# Altium PCB klpfly1.9.5.PcbDoc (part 2 of 2)
Units mil, origin at the board's own origin, x right, y up, seen from the top; angles counter-clockwise.
Board outline 1496.06 x 1496.06 mil, 4 copper layers (Top Layer, POWER2, GND3, Bottom Layer), stack 23.756 mil thick; 120 components, 91 nets, 502 pads, 278 vias.
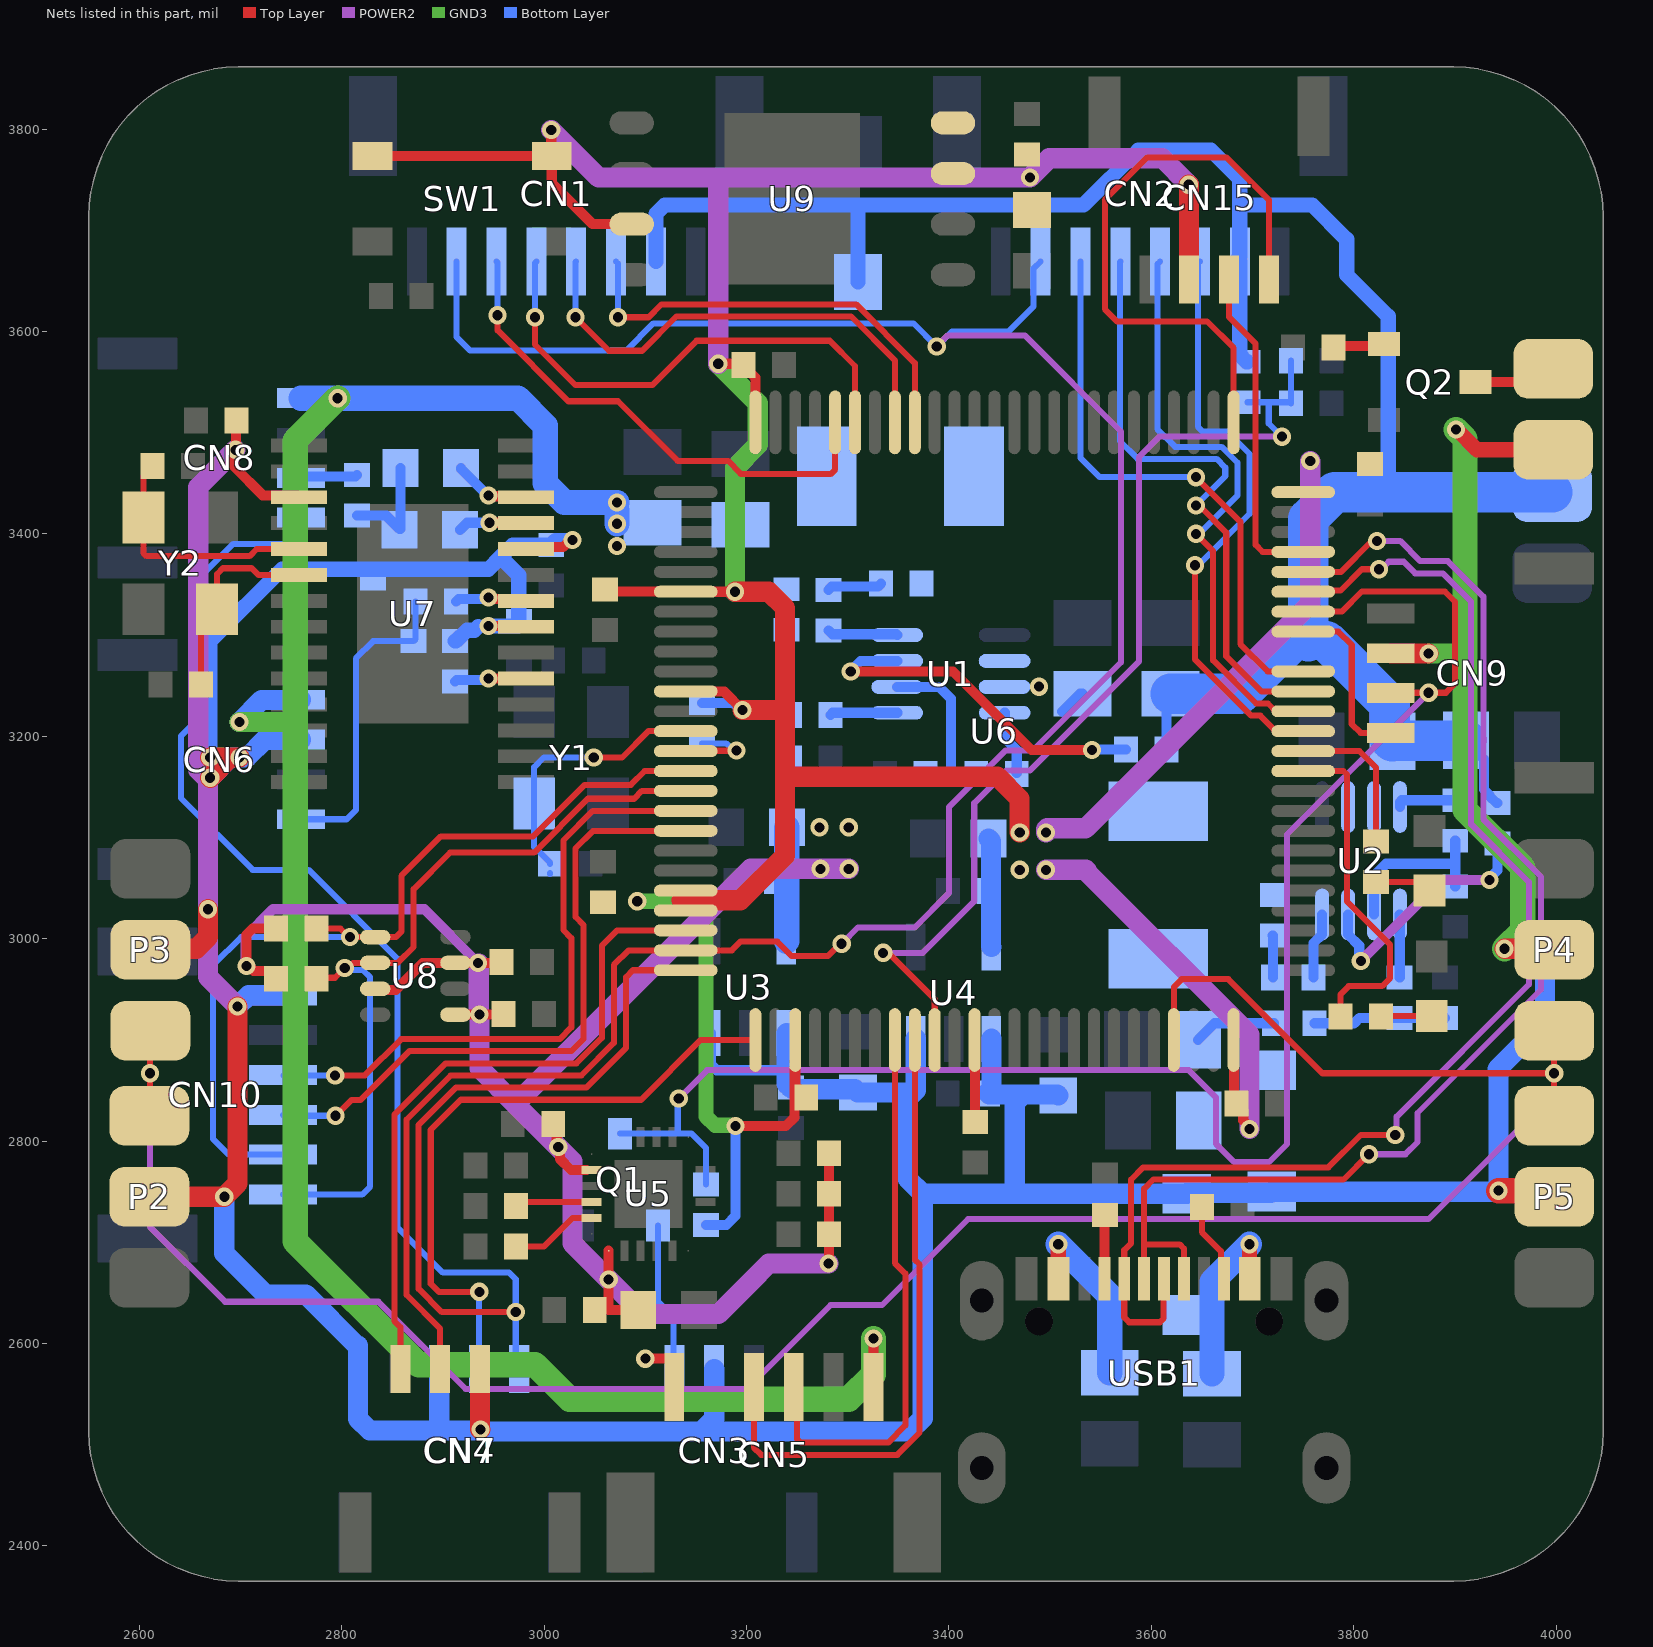
[diagram p4: the nets of this part, all layers, seen from the top]

## Via types
v1: diameter 18, hole 10, Top Layer to Bottom Layer, 278 vias

## Nets (pads, with @x,y where several pads share a name; then routed paths per layer and width w, separated by ;. In a path a pad name is that pad's centre, name@x,y a point inside that pad or via, vN(x,y) a via of type N, cw(c..) or ccw(c..) an arc to the next point about the centre after c; other vN are vias at no path point) (continued)
HEXT_OUT: C24.2 U6.13 Y1.1 | length 267.5
  Top Layer w6: v1(3049,3179) 3077,3179 3103,3205 U6.13@3139.89,3205
  Bottom Layer w6: C24.2@3006,3064 C24.2@3006,3064.98 ; C24.2@3006,3074 3006,3074.98 2990.17,3090.82 Y1.1@2990.17,3133.45 2990.17,3169.49 2999.68,3179 v1(3049,3179)
I2C_SCL: CN10.2 R29.1 U6.15 U8.4 | length 862.6
  Top Layer w6: R29.1@2775,3010 2798.69,3010 2807.09,3001.59 v1(2808.2,3001.59) U8.4@2833,3001.59 2853.59,3001.59 2859,3007 2859,3062 2898,3101 2989.06,3101 3040.06,3152 3085.76,3152 3099.39,3165.63 U6.15@3139.89,3165.63
  Bottom Layer w6: CN10.2@2742,2786.52 2688.48,2786.52 2673,2802 2673,2974 2700.59,3001.59 v1(2808.2,3001.59)
I2C_SDA: CN10.1 R31.1 U6.16 U8.3 | length 800.3
  Top Layer w6: R31.1@2775,2960.41 2775.98,2961.39 2793.39,2961.39 v1(2803,2971) 2806.25,2971 2811.25,2976 U8.3@2833,2976 2855.26,2976 2871,2991.74 2871,3049 2907.01,3085.01 2990.04,3085.01 3043.29,3138.26 3088.99,3138.26 3096.67,3145.94 U6.16@3139.89,3145.94
  Bottom Layer w6: CN10.1@2742,2747.15 2820.15,2747.15 2828,2755 2828,2962 2821,2969 2805,2969 v1(2803,2971)
LED: P2.1 P3.1 P4.1 P5.1 U6.47 | length 2384.7
  Top Layer w6: P2.1@2610,2825 2610.5,2825.5 v1(2610.5,2867) 2610.5,2908.5 P3.1@2611,2909 ; U6.47@3622.17,2899.89 3622.17,2952.17 3630,2960 3676,2960 3769,2867 v1(3998,2867) ; P5.1@3998,2825 v1(3998,2867) ; P4.1@3998,2909 v1(3998,2867)
  POWER2 w6: v1(2610.5,2867) 2610.5,2715.5 2684.75,2641.25 2836.25,2641.25 2922.5,2555 3200,2555 3283,2638 3334,2638 3419,2723 3874,2723 3998,2847 v1(3998,2867)
LED1: R32.2 U6.61 | length 341.1
  Top Layer w6: U6.61@3750.11,3165.63 3789.86,3165.63 3793.37,3162.12 3793.37,3036.63 3836,2994 3836,2961 3828,2953 3795,2953 3787,2945 R32.2@3787,2923
LED2: R33.2 U6.62 | length 151.6
  Top Layer w6: U6.62@3750.11,3185.31 3805.69,3185.31 3822,3169 R33.2@3822,3096
MOTOR1: CN1.6 U6.92 | length 437.1
  Top Layer w6: v1(3073,3614) 3103.2,3614 3116,3626.8 3308.2,3626.8 3366.26,3568.74 U6.92@3366.26,3510.11
  Bottom Layer w6: CN1.6@3071.05,3669.07 3073,3667.11 v1(3073,3614)
MOTOR2: CN1.5 U6.93 | length 478
  Top Layer w6: v1(3031,3614) 3064.1,3580.9 3096.9,3580.9 3130.8,3614.8 3303.23,3614.8 3346.57,3571.46 U6.93@3346.57,3510.11
  Bottom Layer w6: v1(3031,3614) 3031,3668.39 CN1.5@3031.68,3669.07
MOTOR3: CN1.4 U6.95 | length 499.6
  Top Layer w6: v1(2991,3614) 2991,3587 3031,3547 3106.91,3547 3150.7,3590.8 3282.2,3590.8 3307.2,3565.8 U6.95@3307.2,3510.11
  Bottom Layer w6: v1(2991,3614) 2991,3667.76 CN1.4@2992.3,3669.07
MOTOR4: CN1.3 U6.96 | length 509.9
  Top Layer w6: v1(2954,3616) 2954,3601 3024,3531 3073,3531 3132,3472 3182,3472 3193.99,3460.01 3193.99,3459 3283,3459 3287.52,3463.52 U6.96@3287.52,3510.11
  Bottom Layer w6: CN1.3@2952.93,3669.07 2954,3668 v1(2954,3616)
NetBEEP_2: BEEP.2 Q2.3 | length 82.1
  Top Layer w10: Q2.3@3920.27,3550 3984,3550 BEEP.2@3997,3563
NetC1_1: C1.1 L1.2 U1.6
NetC1_2: C1.2 R2.2 | length 54.7
  Bottom Layer w10: R2.2@3281,3344.6 3284.2,3347.8 3329.8,3347.8 C1.2@3333,3351
NetC2_1: C2.1 L2.2 U2.6
NetC2_2: C2.2 R3.2 | length 41.4
  Bottom Layer w10: C2.2@3720,3003 3720.15,3002.85 3720.15,2961.87 R3.2@3720.29,2961.73
NetC9_2: C9.2 C10.2 D1.1 L2.1 R11.2 | length 82
  Bottom Layer w10: C9.2@3646,2900 3662.41,2916.41 R11.2@3721.2,2916.41
NetC17_2: C17.2 R6.1 U1.2 | length 182.4
  Bottom Layer w10: U1.2@3348.9,3248.8 3390.2,3248.8 3402,3237 3402,3162.6 ; C17.2@3377,3162.6 3402,3162.6 ; R6.1@3427,3162.6 3402,3162.6
NetC20_2: C20.2 R9.1 U2.2 | length 167.1
  Bottom Layer w10: U2.2@3820,3023.9 3820,3062 3832,3074 3899,3074 ; C20.2@3900.29,3051.73 R9.1@3900.29,3096.73
NetC23_1: C23.1 U5.10 | length 76.3
  Top Layer w6: C23.1@2972.33,2735.93 2976.33,2739.93 U5.10@3046.93,2739.93
NetC29_1: C29.1 C31.1 R24.2 | length 108.4
  Bottom Layer w10: R24.2@2815,3418 2843.98,3418 2856.98,3405 2858,3405 C29.1@2858,3465
NetC29_2: C29.2 U7.26 | length 76.7
  Top Layer w10: v1(2945,3438) 2945.92,3437.08 2959.64,3437.08 2960.56,3436.16 U7.26@2982.2,3436.16
  Bottom Layer w10: C29.2@2918,3465 2918,3464.02 2944.02,3438 v1(2945,3438)
NetC31_2: C31.2 U7.25 | length 68.3
  Top Layer w10: v1(2946,3411) 2981.77,3411 U7.25@2982.2,3410.57
  Bottom Layer w10: C31.2@2917,3404 2924,3411 v1(2946,3411)
NetC38_2: C38.2 U7.22 | length 72.2
  Top Layer w10: v1(2945,3337) 2946.53,3335.47 2980.52,3335.47 U7.22@2982.2,3333.79
  Bottom Layer w10: C38.2@2913,3333 2915.47,3335.47 2943.47,3335.47 v1(2945,3337)
NetLED1_1: LED1.1 R32.1 | length 50.2
  Top Layer w6: R32.1@3827,2923 3827.47,2923.47 LED1.1@3877,2923.47
NetLED2_1: LED2.1 R33.1 | length 56.5
  Top Layer w6: R33.1@3822,3056 3866.47,3056 LED2.1@3875,3047.47
NetQ2_1: Q2.1 R42.2 | length 51.1
  Top Layer w10: R42.2@3780,3584 3781.7,3585.7 3828.02,3585.7 Q2.1@3829.72,3587.41
NetR1_2: R1.2 USB1.4 | length 63.2
  Top Layer w10: USB1.4@3553.51,2664.01 3553.76,2664.25 3553.76,2726.76 R1.2@3554,2727
NetR2_1: R2.1 U1.4 | length 69.8
  Bottom Layer w10: R2.1@3281,3304.6 3284.88,3300.72 3348.18,3300.72 U1.4@3348.9,3300
NetR3_1: R3.1 U2.4 | length 65.7
  Bottom Layer w10: R3.1@3760.29,2961.73 3760.29,2995.67 3768.8,3004.18 U2.4@3768.8,3023.9
NetR4_2: R4.2 U1.3 | length 355
  Top Layer w10: v1(3303,3264) 3404,3264 3481.5,3186.5 v1(3541.25,3186.5)
  Bottom Layer w10: v1(3303,3264) 3303,3264.85 3312.55,3274.4 U1.3@3348.9,3274.4 ; v1(3541.25,3186.5) 3541.51,3186.75 3574.75,3186.75 R4.2@3575,3187
NetR5_2: R5.2 U2.3 | length 250.6
  POWER2 w10: v1(3807,2978) 3887,3058 v1(3934,3058)
  Bottom Layer w10: U2.3@3794.4,3023.9 3794.4,3004.18 3805.47,2993.11 3805.47,2979.53 v1(3807,2978) ; v1(3934,3058) 3934,3059.55 3942,3067.55 R5.2@3942,3094
NetR6_2: R6.2 U1.8 | length 64.5
  Bottom Layer w10: U1.8@3455.1,3223.2 3455.1,3198.18 3467,3186.28 R6.2@3467,3163.58
NetR7_1: R7.1 U1.1 | length 66.8
  Bottom Layer w10: R7.1@3283,3221 3285.2,3223.2 U1.1@3348.9,3223.2
NetR7_2: R7.2 R8.1 R12.2 | length 128.6
  Bottom Layer w10: R8.1@3239.62,3305.23 3241.31,3303.54 3241.31,3179.69 R12.2@3243,3178
NetR9_2: R9.2 U2.8 | length 60.3
  Bottom Layer w10: U2.8@3845.6,3130.1 3845.6,3134.98 3847.35,3136.73 R9.2@3900.29,3136.73
NetR10_1: R10.1 U2.1 | length 62.3
  Bottom Layer w10: R10.1@3845.29,2961.73 3845.45,2961.88 3845.45,3023.75 U2.1@3845.6,3023.9
NetR10_2: R10.2 R11.1 R13.2 | length 131.3
  Bottom Layer w10: R11.1@3761.2,2916.41 3800.41,2916.41 3805.73,2921.73 R10.2@3845.29,2921.73 R13.2@3890.29,2921.73
NetR14_2: R14.2 USB1.10 | length 79.9
  Top Layer w6: R14.2@3650,2735 3650,2710 3668.72,2691.28 3668.72,2666.91 USB1.10@3671.62,2664.01
NetR22_1: R22.1 U5.11 | length 86.3
  Top Layer w6: R22.1@2972.33,2695.93 2999.93,2695.93 3028.18,2724.18 U5.11@3046.93,2724.18
NetR23_1: R23.1 U6.14 | length 87.3
  Top Layer w6: U6.14@3139.89,3185.31 3140.23,3185.66 3189.66,3185.66 v1(3190,3186)
  Bottom Layer w6: R23.1@3156,3193 3179.75,3193 3186.75,3186 v1(3190,3186)
NetR26_1: R26.1 U6.37 | length 81.2
  Top Layer w10: U6.37@3425.32,2899.89 3425.66,2899.55 3425.66,2819.34 R26.1@3426,2819
NetR27_2: R27.2 U7.19 | length 71.4
  Top Layer w10: v1(2945,3257) U7.19@2982.2,3257.02
  Bottom Layer w10: R27.2@2912,3254 2913.5,3255.5 2943.5,3255.5 v1(2945,3257)
OSD_HEXT_IN: C28.2 U7.5 Y2.3 | length 247.6
  Top Layer w6: C28.2@2613,3467 2613,3466.02 2604,3457.02 Y2.3@2604,3416 2604,3381 2607,3378 2709,3378 2715.98,3384.98 U7.5@2757.79,3384.98
OSD_HEXT_OUT: C30.2 U7.6 Y2.1 | length 201.9
  Top Layer w6: C30.2@2661,3251 2661,3309.61 Y2.1@2676.83,3325.45 2676.83,3360.32 2682.51,3366 2711,3366 2717.61,3359.39 U7.6@2757.79,3359.39
OSD_IN_CAM: C38.1 CN6.1 R25.2 | length 311.9
  Bottom Layer w6: CN6.1@2759.71,3117.94 2804.94,3117.94 2814,3127 2814,3277 2831,3294 R25.2@2871,3294 2873,3296 C38.1@2873,3333
OSD_OUT_VTX: CN8.2 R24.1 | length 56.4
  Bottom Layer w10: CN8.2@2759.71,3455.31 2761.05,3456.66 2813.65,3456.66 R24.1@2815,3458
SBUS: CN3.3 CN5.1 Q1.1 | length 233.2
  Top Layer w10: v1(3100,2585) 3123.74,2585 3128.61,2580.13 CN5.1@3128.58,2556.93
  Bottom Layer w6: v1(3100,2585) 3121.79,2585 CN3.3@3128,2578.79 ; Q1.1@3112.41,2716.72 3112.41,2641.59 3128,2626 CN3.3@3128,2578.79 ; CN3.3@3128.63,2574.71 3128.63,2578.16 CN3.3@3128,2578.79
SERVO1: CN2.6 U6.63 | length 589.9
  Top Layer w6: v1(3643,3369) 3643,3276.06 3698.69,3220.37 3707.75,3220.37 3723.12,3205 U6.63@3750.11,3205
  Bottom Layer w6: v1(3643,3369) 3646.25,3369 3697,3419.75 3697,3479 3675,3501 3651,3501 3646,3506 3646,3667.02 CN2.6@3648.05,3669.07
SERVO2: CN2.5 U6.64 | length 590.7
  Top Layer w6: v1(3644,3400) 3661,3383 3661,3275.03 3703.66,3232.37 3715.26,3232.37 3722.95,3224.68 U6.64@3750.11,3224.68
  Bottom Layer w6: CN2.5@3608.68,3669.07 3606,3666.39 3606,3503.51 3623.51,3486 3669.46,3486 3685,3470.46 3685,3437.75 3647.25,3400 v1(3644,3400)
SERVO3: CN2.4 U6.65 | length 595.7
  Top Layer w6: v1(3644,3428) 3647.25,3428 3674,3401.25 3674,3279 3708.63,3244.37 U6.65@3750.11,3244.37
  Bottom Layer w6: CN2.4@3569.3,3669.07 3569,3668.76 3569,3491.51 3586.51,3474 3664.49,3474 3673,3465.49 3673,3457 v1(3644,3428)
SERVO4: CN2.3 U6.66 | length 572.5
  Top Layer w6: v1(3644,3456) 3688,3412 3688,3291 3714.94,3264.06 U6.66@3750.11,3264.06
  Bottom Layer w6: CN2.3@3529.93,3669.07 3529.93,3475.07 3549,3456 v1(3644,3456)
SWDCLK: CN15.1 U6.76 | length 600.2
  Top Layer w6: U6.76@3681.22,3510.11 3681.22,3583.78 3655,3610 3566,3610 3554,3622 3554,3730 3596,3772 3674,3772 3716.06,3729.94 CN15.1@3716.06,3651.29
SWDIO: CN15.2 U6.72 | length 323.1
  Top Layer w6: CN15.2@3676.69,3651.29 3676.69,3614.31 3703,3588 3703,3389 3709.83,3382.17 U6.72@3750.11,3382.17
UART1_RX: CN9.2 Q1.3 R30.2 U6.69 | length 1661.1
  Top Layer w6: U6.69@3750.11,3323.11 3788.11,3323.11 3808,3343 3890,3343 3900,3333 3900,3252 3891,3243 v1(3874,3243) 3836.92,3243 CN9.2@3836.58,3242.66
  POWER2 w6: v1(3133,2842) 3161,2870 3637,2870 3664,2843 3664,2797 3681.75,2779.25 3716.25,2779.25 3734,2797 3734,3103 v1(3874,3243)
  Bottom Layer w6: Q1.3@3075,2807.27 3132,2807.27 ; v1(3133,2842) 3132,2841 3132,2807.27 ; R30.2@3160,2757 3160,2793 3145.73,2807.27 3132,2807.27
UART2_RX: CN4.2 U6.26 | length 637.4
  Top Layer w6: v1(2936,2651) 2896,2651 2888,2659 2888,2811.09 2917.71,2840.8 3095.8,2840.8 3154.89,2899.89 U6.26@3208.78,2899.89
  Bottom Layer w6: CN4.2@2935.69,2574.71 2935.69,2650.69 v1(2936,2651)
UART2_TX: CN4.1 CN8.1 U6.25 | length 1770.1
  Top Layer w6: v1(2972,2631) 2899.03,2631 2876,2654.03 2876,2816.06 2912.74,2852.8 3041.71,2852.8 3081,2892.09 3081,2962 3087.78,2968.78 U6.25@3139.89,2968.78
  Bottom Layer w6: CN8.1@2759.71,3415.94 2759.71,3397.1 2752.61,3390 2693,3390 2651.5,3348.5 2651.5,3210.5 2641,3200 2641,3139 2712,3068 2767.25,3068 2855,2980.25 2855,2715 2900,2670 2965.49,2670 2972,2663.49 v1(2972,2631) 2972,2577.77 CN4.1@2975.06,2574.71
UART3_RX: CN5.3 U6.34 | length 625.5
  Top Layer w6: CN5.3@3207.32,2556.93 3207.32,2497.02 3214.34,2490 3349,2490 3371,2512 3371,2678 3366.26,2682.74 U6.34@3366.26,2899.89
UART3_TX: CN5.4 U6.33 | length 553.5
  Top Layer w6: CN5.4@3246.69,2556.93 3250,2553.61 3250,2505.51 3253.51,2502 3340,2502 3357,2519 3357,2669 3346.57,2679.43 U6.33@3346.57,2899.89
UART4_RX: CN1.2 CN2.2 CN7.2 U6.24 | length 2448.4
  Top Layer w6: CN7.2@2897.31,2574.71 2897.31,2614.69 2864,2648 2864,2821.03 2907.77,2864.8 3036.74,2864.8 3069,2897.06 3069,2974 3083.46,2988.46 U6.24@3139.89,2988.46 3185.46,2988.46 3194,2997 3230.38,2997 3244.38,2983 3280.54,2983 3292.54,2995 v1(3294,2995)
  POWER2 w6: v1(3294,2995) 3310,3011 3366,3011 3400,3045 3400,3130 3456,3186 3483.03,3186 3570,3272.97 3570,3501 3475,3596 3399,3596 v1(3388,3585)
  Bottom Layer w6: CN1.2@2913.59,3669.07 2913.59,3594.41 2927,3581 3081,3581 3108,3608 3365,3608 v1(3388,3585) 3403,3600 3459,3600 3483.74,3624.74 3483.74,3662.22 CN2.2@3490.59,3669.07
UART4_TX: CN7.1 U6.23 | length 670.4
  Top Layer w6: CN7.1@2857.94,2574.71 2857.94,2616.06 2852,2622 2852,2826 2902.8,2876.8 3031.77,2876.8 3057,2902.03 3057,2993 3072.15,3008.15 U6.23@3139.89,3008.15
UART8_RX: CN10.3 U6.18 | length 636.4
  Top Layer w6: v1(2794,2825) 2809.5,2840.5 2818.5,2840.5 2866.8,2888.8 3026.8,2888.8 3039,2901 3039,3013.44 3031,3021.44 3031,3089.16 3048.41,3106.57 U6.18@3139.89,3106.57
  Bottom Layer w6: CN10.3@2742,2825.89 2742.9,2825 v1(2794,2825)
UART8_TX: CN10.4 U6.17 | length 628.8
  Top Layer w6: v1@2790,2865 v1@2793.55,2865 ; v1(2793.55,2864.81) 2822.81,2864.81 2858.8,2900.8 3015.55,2900.8 3027,2912.25 3027,3000.57 3019,3008.57 3019,3097 3048.26,3126.26 U6.17@3139.89,3126.26
  Bottom Layer w6: CN10.4@2742.45,2864.81 v1(2793.55,2864.81)
USB_DN: U6.70 USB1.5 USB1.7 | length 1300
  Top Layer w6: USB1.7@3612.57,2664.01 3612,2663.44 3612,2624.51 3608.49,2621 3578,2621 3573.2,2625.8 3573.2,2692.2 3580,2699 3580,2762 3592,2774 3774.97,2774 3806.97,2806 v1(3841,2806) ; U6.70@3750.11,3342.8 3751.23,3343.91 3786.91,3343.91 3808,3365 v1(3825,3365)
  POWER2 w6: v1(3825,3365) 3827.14,3365 3834.51,3372.37 3849.37,3372.37 3860.75,3361 3888.03,3361 3916,3333.03 3916,3113 3973,3056 3973,2954.72 3842.28,2824 3842.28,2807.28 v1(3841,2806)
USB_DP: U6.71 USB1.6 USB1.8 | length 1275.4
  Top Layer w6: USB1.6@3592.88,2664.01 3592.88,2698 ; USB1.8@3632.25,2664.01 3632.25,2693.75 3628,2698 3592.88,2698 ; U6.71@3750.11,3362.48 3787.48,3362.48 3818,3393 v1(3823,3393) ; v1(3815,2787) 3790,2762 3602,2762 3592.88,2752.88 3592.88,2698
  POWER2 w6: v1(3815,2787) 3851,2787 3863,2799 3863,2827.75 3985,2949.75 3985,3060.97 3928,3117.97 3928,3338 3893,3373 3865.72,3373 3845.72,3393 v1(3823,3393)
VBAT_ADC: C22.2 R16.1 R20.2 U6.35 | length 1015.3
  Top Layer w6: v1(3335,2986) 3337.3,2983.7 3342.3,2983.7 3385.94,2940.06 U6.35@3385.94,2899.89
  POWER2 w6: v1(3335,2986) 3374,2986 3425,3037 3425,3134 3457,3166 3480,3166 3588,3274 3588,3476 3608,3496 v1(3729,3496)
  Bottom Layer w6: R16.1@3695,3530 3716,3530 ; v1(3729,3496) 3716,3509 3716,3530 ; R20.2@3738,3571 C22.2@3738,3529 3737,3530 3716,3530
VCC3V3_IMU: C11.2 C12.2 C25.2 C26.2 C27.2 C39.2 C40.2 R15.1 R17.1 R18.1 R29.2 R31.2 U3.5 U5.8 U5.13 U8.2 U8.6 U8.8 | length 2008.3
  Top Layer w10: R31.2@2735,2960.41 2735,2961.39 2728.19,2968.21 2712.96,2968.21 2708.16,2973 v1(2706,2973) 2706,3004.14 2711.86,3010 R29.2@2735,3010 ; U8.2@2833,2950.41 2833.82,2949.59 2844.81,2949.59 2845.06,2949.34 2853.34,2949.34 2880,2976 U8.6@2912.41,2976 v1(2934.7,2976) 2957,2976 C40.2@2958,2977 ; U8.8@2912.41,2924.82 2912.7,2925.11 v1(2936.2,2925.11) 2959.7,2925.11 C39.2@2960,2925.41 ; C25.2@3011.81,2817.19 3012.47,2816.53 3012.47,2795.53 v1(3014,2794) 3015.53,2792.47 3015.53,2782.47 3026.58,2771.42 U5.8@3041.99,2771.42 ; C27.2@3050,2633 3051.75,2634.75 3063.75,2634.75 v1(3063.75,2663.18) U5.13@3063.75,2691.6 ; 3063.75,2633 C26.2@3093,2633 ; v1(3281,2679) 3281.33,2679.33 R18.1@3281.33,2707.92 R15.1@3281.33,2787.92
  POWER2 w10: v1(2706,2973) 2705,2974 2705,3002 2732,3029 2881.7,3029 v1(2934.7,2976) v1@2935.45,2975.25 ; v1@2935.45,2925.86 v1(2936.2,2925.11)
  POWER2 w20: v1@2935.45,2925.86 v1@2935.45,2975.25 ; v1(2936.2,2925.11) 2936.2,2871.8 2971.5,2836.5 ; v1(3281,2679) 3222,2679 3203,2660 3199,2656 3172,2629 3097.93,2629 3070.93,2656 v1(3063.75,2663.18) 3028,2698.93 3028,2780 v1(3014,2794) 2971.5,2836.5 ; v1(3301,3069) 3204,3069 2971.5,2836.5
  Bottom Layer w25: U3.5@3239.4,2997.42 3239.7,2997.72 3239.7,3109.7 C11.2@3240,3110
  other v1: 3273,3069 3272,3110 3301,3110
VCC3V3_MCU: C13.2 C14.2 C32.2 C33.2 C34.2 C35.2 C36.2 C37.2 C44.2 C45.2 CN15.3 R23.2 R30.1 SW1.3 SW1.4 U4.5 U6.6 U6.11 U6.21 U6.22 U6.28 U6.50 U6.75 U6.100 U9.3 U9.7 U9.8 | length 4251.7
  Top Layer w10: SW1.4@2830.42,3773.32 SW1.3@3007.59,3773.32 ; v1(3007,3799) 3007,3773.91 SW1.3@3007.59,3773.32 ; C33.2@3060,3345 3061.85,3343.15 3139.54,3343.15 U6.6@3139.89,3342.8 v1(3188.65,3342.8) ; U9.3@3086.46,3706 3048,3706 3007.59,3746.41 SW1.3@3007.59,3773.32 ; U6.11@3139.89,3244.37 3140.23,3244.02 3177.98,3244.02 v1(3196,3226) ; v1(3172,3568) 3196,3568 C35.2@3197,3567 3197,3566.02 3208.78,3554.24 U6.100@3208.78,3510.11 ; v1(3189,2815) 3239,2815 3247.56,2823.56 3247.56,2872.43 3247.8,2872.67 3247.8,2878.31 U6.28@3247.56,2878.56 ; U6.28@3248.15,2899.89 3248.15,2854.83 3259,2843.98 C37.2@3259,2843 ; U6.50@3681.22,2899.89 3681.57,2899.54 3681.57,2839.43 3690.81,2830.19 3690.81,2820.35 3697,2814.16 v1(3697,2812)
  Top Layer w20: 3136,3038 3194,3038 3238,3082 3238,3160 ; v1(3188.65,3342.8) 3221.95,3342.8 3238,3326.75 3238,3226 ; v1(3196,3226) 3238,3226 ; v1(3470,3105) 3469.72,3105.28 3469.72,3138.28 3448,3160 3238,3160 ; v1(3637,3745) 3637.32,3744.68 CN15.3@3637.32,3651.29 ; 3238,3160 3238,3226
  POWER2 w20: v1(3007,3799) 3054,3752 3177,3752 ; v1(3172,3568) 3172,3747 3177,3752 ; v1(3496,3068) 3535.14,3068 3536.14,3067 3536.14,3065.86 3697,2905 v1(3697,2812) ; v1(3496,3105) 3496,3108 3497,3109 3535,3109 3757,3331 v1(3757,3472) ; v1(3637,3745) 3611,3771 3499,3771 v1(3480,3752) 3177,3752
  GND3 w15: v1(3092,3037) 3144,3037 3160,3021 3160,2824.36 3168.79,2815.57 3188.43,2815.57 v1(3189,2815)
  GND3 w20: v1(3172,3568) 3211,3529 3211,3487.84 3188.65,3465.48 v1(3188.65,3342.8)
  Bottom Layer w10: R23.2@3156,3233 3186.84,3233 3193.84,3226 v1(3196,3226) ; R30.1@3160,2717 3180.14,2717 3189,2725.86 v1(3189,2815)
  Bottom Layer w20: C13.2@3439,3099 3441.65,3096.35 3441.65,2992.19 U4.5@3442.01,2991.84
  other v1: 3470,3068
VCC5V: BEEP.1 C3.2 C4.2 C5.2 C6.2 C41.2 C42.2 C43.2 CN3.2 CN4.3 CN6.3 CN7.3 CN9.3 CN10.6 D1.2 D2.2 P2.2 P3.2 P4.2 P5.2 R27.1 R28.1 U3.1 U3.3 U4.1 U4.3 U7.3 U7.21 U7.24 | length 5705.9
  Top Layer w10: v1@2693.98,3484 2693.98,3466 2721.93,3438.05 2755.9,3438.05 U7.3@2757.79,3436.16 ; v1(2695,3483) 2695.5,3483.5 2695.5,3511.5 C43.2@2696,3512 ; v1(2945,3309) 2981.4,3309 U7.21@2982.2,3308.2 ; U7.24@2982.2,3384.98 2984.09,3386.87 3018.71,3386.87 3025.84,3394 v1(3028,3394)
  Top Layer w15: v1(3901,3503) 3901.81,3503 3921.81,3483 BEEP.1@3997,3483
  Top Layer w20: P2.2@2610,2745 v1(2684,2745) 2697,2758 v1(2697,2933) ; P3.2@2611,2989 2612,2990 2656.28,2990 2668,3001.72 v1(2668,3029) ; v1(2670,3159) v1@2690,3179 ; v1(2670,3179) v1@2690,3179 ; v1(2699,3179) v1@2690,3179 ; CN7.3@2936.68,2574.71 2936.68,2515.32 v1(2937,2515) ; CN9.3@3836.74,3281.88 v1@3873.75,3281.88 ; v1(3949,2990) 3997,2990 P4.2@3998,2989
  Top Layer w25: v1(3943,2751) 3992,2751 P5.2@3998,2745
  POWER2 w20: v1(2695,3483) 2658.28,3446.28 2658.28,3166.72 v1@2668,3157 ; v1(2697,2933) 2668,2962 v1(2668,3029) v1@2668,3157 ; v1(2699,3179) 2690,3179 v1(2670,3159) v1@2668,3157
  GND3 w20: v1(2670,3159) v1(2670,3179) v1(2699,3179) ; v1(3874,3281.63) 3909.63,3281.63 3910,3282
  GND3 w25: v1(3901,3503) 3910,3494 3910,3282 3910,3127.13 3967,3070.13 3967,3008 v1(3949,2990)
  Bottom Layer w10: U3.3@3164.6,2906.58 3164.6,2875.86 3170.45,2870 3239.4,2870
  Bottom Layer w15: v1(2670,3159) v1(2670,3179) 2670,3294 2741,3365 2945,3365 2957,3377 ; R27.1@2912,3294 2912.98,3294 2923.69,3304.7 2931.23,3304.7 2934.95,3308.43 ; v1(2945,3309) C41.2@2975,3309 ; C41.2@2975,3314 2975,3359 2957,3377 ; v1(3028,3394) 3027.19,3394 3026.5,3393.31 3011.31,3393.31 C42.2@3007,3389 2969,3389 2957,3377
  Bottom Layer w20: v1(2684,2745) 2684,2689 2724.5,2648.5 2764.5,2648.5 2816,2597 ; v1(2697,2933) 2708,2944 CN10.6@2742,2944 ; v1(2699,3179) 2706.43,3179 2723.95,3196.52 2759.55,3196.52 CN6.3@2759.71,3196.68 ; 2816,2598 2816,2525.72 2827.72,2514 2896,2514 ; CN4.3@2896.32,2574.71 2896.32,2514.32 2896,2514 ; v1@2936,2514 2896,2514 ; v1(2937,2515) 2939,2513 3157.29,2513 ; CN3.2@3168,2574.71 3168,2525.72 3156.29,2514 3157.29,2513 ; U3.1@3239.4,2906.58 3239.4,2870 3239.4,2856.62 3243.02,2853 C4.2@3244,2853 3245.81,2851.19 3306.81,2851.19 C3.2@3310,2848 3355.2,2848 ; U4.3@3367.2,2901 3367.2,2850.2 3359,2842 3359,2763 3374,2748 ; U4.1@3442,2901 3442,2851.35 3438.78,2848.14 C6.2@3438.78,2847.15 3439.86,2846.08 3465,2846.08 3473.39,2846.08 ; C5.2@3508,2845 3506.92,2846.08 3473.39,2846.08 ; v1@3942,2750 D1.2@3719,2750 3718,2749 3636,2749 D2.2@3635,2748 3465,2748 ; 3942,2871 3989,2918 3989,2966 3965,2990 v1(3949,2990) ; v1(3943,2751) 3943,2872 ; 3157.29,2513 3361,2513 3374,2526 3374,2748 ; 3374,2748 3465,2748 ; 3465,2748 3465,2837.68 3473.39,2846.08
VCC10V: C7.2 C8.2 CN5.6 CN6.4 CN8.4 L1.1 R8.2 | length 2107.2
  Top Layer w10: CN5.6@3325.4,2556.95 v1(3325.37,2605)
  GND3 w20: v1(2699,3214) 2752,3214 2754,3212
  GND3 w25: v1(2796,3534) 2754,3492 2754,3212 2754,2701 2876,2579 2991,2579 3025,2545 3301,2545 3325.37,2569.37 v1(3325.37,2605)
  Bottom Layer w20: v1(2699,3214) 2720.89,3235.89 2759.55,3235.89 CN6.4@2759.71,3236.05
  Bottom Layer w25: CN8.4@2759.71,3534.05 2759.76,3534 v1(2796,3534) 2974,3534 3001,3507 3001,3450 3020,3431 v1(3072,3431) ; v1(3072,3410) v1@3072,3423
  other v1: 3072,3388
VCC_BAT: C15.2 C16.2 C18.2 C19.2 CN1.7 CN2.7 D3.2 P6.2 R4.1 R5.1 R16.2 U1.7 U2.7 | length 2181.3
  Bottom Layer w10: C16.2@3512,3224.36 3529.64,3242 C16.2@3532,3242 ; R4.1@3615,3187 3615,3238 C15.2@3619,3242 ; C19.2@3835.56,3197.64 3837.2,3196 C19.2@3838.2,3196 ; C18.2@3910.5,3195.5 3928.64,3177.36 3928.64,3147.36 3934.2,3141.8 3934.2,3140.81 3941.02,3134 R5.1@3942,3134
  Bottom Layer w15: CN1.7@3110.41,3669.07 3110.41,3716.21 3119.2,3725 3311,3725 ; D3.2@3310.01,3648.69 3310.01,3724.01 3311,3725 ; R16.2@3695,3570 3694.02,3570 3687.41,3576.6 CN2.7@3687.41,3669.07 3685.08,3671.41 3687.42,3673.75 3687.42,3725 ; 3834,3443.85 3834,3615 3793,3656 3793,3691 3759,3725 3687.42,3725 ; 3311,3725 3533,3725 3587,3779 3659,3779 3687.42,3750.58 3687.42,3725
  Bottom Layer w40: C15.2@3619,3242 3687.5,3242 3739.5,3294 ; 3755,3294 3755,3414.85 3781.15,3441 P6.2@3996,3441 ; 3773,3294 3835.56,3231.44 C19.2@3835.56,3197.64 ; C19.2@3838.2,3195 3838.7,3195.5 3910.5,3195.5 C18.2@3911,3196
  other v1: 3489,3249
VCC_USB: C46.2 C47.2 D2.1 USB1.2 USB1.11 | length 359.3
  Top Layer w15: USB1.2@3508.02,2664.22 v1(3508.02,2698) ; v1(3697,2698) 3697,2664.22 USB1.11@3697.21,2664.01
  Bottom Layer w25: v1(3508.02,2698) 3559,2647.02 C46.2@3559,2571 ; C47.2@3660,2570 3660,2661 v1(3697,2698)
"": CN9.1 U6.68 | length 173.7
  Top Layer w6: U6.68@3750.11,3303.43 3784.77,3303.42 3798,3290.19 3798,3212 3806.71,3203.29 CN9.1@3836.58,3203.29
pads on no net: CN2.1 U3.4 U4.4 U5.1 U5.2 U5.3 U5.4 U5.5 U5.6 U5.7 U5.12 U5.14 U5.15 U5.16 U5.17 U5.19 U5.21 U6.1 U6.2 U6.3 U6.4 U6.5 U6.7 U6.8 U6.9 U6.19 U6.38 U6.39 U6.40 U6.41 U6.42 U6.43 U6.44 U6.45 U6.46 U6.49 U6.51 U6.52 U6.53 U6.54 U6.55 U6.56 U6.57 U6.58 U6.59 U6.67 U6.73 U6.81 U6.83 U6.88 U6.89 U6.90 U6.91 U6.97 U6.98 U7.1 U7.2 U7.7 U7.12 U7.13 U7.14 U7.15 U7.16 U7.17 U7.18 U7.27 U7.28 USB1. USB1.3 USB1.9

## Polygon pours and split planes (outlines as drawn)
GND on GND3 "GND_L03_P000" (solid, remove dead copper, pour order 0): 2525,3875 2525,2350 4075,2350 4075,3875
GND on POWER2 "GND_L02_P001" (solid, remove dead copper, pour order 1): 2525,3875 2525,2325 4075,2325 4075,3875
GND on Top Layer "GND_L01_P002" (solid, remove dead copper, pour order 2): 4100,3900 4100,2300 2500,2300 2500,3900
GND on Bottom Layer "GND_L04_P003" (solid, remove dead copper, pour order 3): 4100,2300 4100,3900 2500,3900 2500,2300

## Keep-outs
Keep-Out Layer:
  the board outline again, w0.5

## Other copper
Top Layer:
  rectangle net GND: 3385,2770 3437,2790
  rectangle net GND: 3385,2770 3400,2811
  rectangle net GND: 3486,2756 3566,2817
  rectangle net VCC10V: 3059.07,3378 3084,3443.94
  rectangle net VCC3V3_MCU: 3452,3053 3509,3120
  region net VCC3V3_MCU: 3779,3437 3721,3437 3718,3440 3718,3463 3727,3472 3742,3472 3752,3482 3763,3482 3770,3475 3792,3475 3799,3482 3830,3482 3832,3480 3832,3458 3826,3452 3787,3452
  region net VCC5V: 2661,3193 2706,3193 2713,3186 2713,3173 2704,3164 2693,3164 2680,3151 2680,3149 2661,3149 2658,3152 2658,3189
  region net VCC3V3_MCU: 3390,3824 3379,3813 3379,3749 3391,3737 3454,3737 3461,3730 3461,3701 3464,3698 3502,3698 3504,3700 3504,3785 3500,3789 3438,3789 3430,3797 3430,3814 3420,3824 3415,3824
  region net VCC3V3_MCU: 3172.5,3023.5 3044.5,3023.5 3042,3026 3042,3047 3044,3049 3100,3049 3102.5,3051.5 3169.5,3051.5 3174,3047 3174,3025
POWER2:
  rectangle net VCC10V: 3058,3377 3084,3445
  rectangle net VCC3V3_MCU: 3457,3057 3546.14,3119
  rectangle net VCC3V3_IMU: 3262,3059 3311,3120
  region net VCC5V: 2661,3193 2706,3193 2713,3186 2713,3173 2704,3164 2693,3164 2680,3151 2680,3149 2661,3149 2658,3152 2658,3189
GND3:
  rectangle net VCC10V: 3059,3377 3083,3442
  rectangle net VCC3V3_MCU: 3453,3053 3512,3119
  rectangle net VCC3V3_IMU: 3260,3059 3311,3121
  region net VCC5V: 2661,3193 2706,3193 2713,3186 2713,3173 2704,3164 2693,3164 2680,3151 2680,3149 2661,3149 2658,3152 2658,3189
Bottom Layer:
  rectangle net GND: 3170,3755 3429.93,3848.89
  rectangle net GND: 3950,3230 4037,3391
  rectangle net GND: 3530,2440 3695,2525
  rectangle net VCC3V3_MCU: 3421,3035 3507,3118
  rectangle net VCC3V3_IMU: 3223,3060 3311,3129
  rectangle net GND: 3192,2929 3212,2981
  rectangle net VCC_USB: 3528,2547 3692,2680
  rectangle net GND: 3079,3456 3222,3538
  region net VCC_BAT: 3710,3254 3702,3262 3702.5,3302.5 3735,3335 3735,3367 3740,3372 3772,3372 3838,3254
  region net VCC5V: 2661,3193 2706,3193 2713,3186 2713,3173 2704,3164 2693,3164 2680,3151 2680,3149 2661,3149 2658,3152 2658,3189
  region net VCC_BAT: 3827,3157 3843,3173 3843,3231 3839.19,3234.81 3822,3234.81 3814,3226.81 3814,3102 3815,3101 3823,3101 3827,3105
  region net GND: 3597,2932 3600,2929 3600,2790 3599,2789 3553,2789 3548,2794 3548,2873 3538,2883 3537,2882 3485,2882 3481,2886 3481,2969 3482,2970 3482,2992 3488,2998 3531,2998 3537,2992 3537,2936 3541,2932
  region net NetC9_2: 3674,2825.06 3674,2846 3677,2849 3743,2849 3745,2851 3745,2893 3734,2904 3734,2930 3731,2933 3673,2933 3673,3011 3661,3023 3561,3023 3553,3015 3553,2952 3558,2947 3616,2947 3623,2940 3623,2791 3627,2787 3667,2787 3674,2794
  region net NetC2_1: 3792,3155 3788,3151 3788,3100 3780,3092 3687,3092 3680,3092 3665,3107 3665,3151 3653,3163 3561,3163 3550,3152 3550,3086 3569,3067 3664,3067 3691,3040 3702,3029 3735,3029 3743,3037 3743,3053 3759,3069 3799,3069 3801,3071 3801,3110 3801,3154 3800,3155
  region net GND: 3777,3108 3774,3105 3691,3105 3686,3110 3686,3207 3689,3210 3732,3210 3745,3223 3745,3226 3788,3226 3792,3222 3792,3167 3791,3166 3781,3166 3777,3162 3777,3149
  region net VCC_BAT: 3474,3257 3431,3257 3428,3254 3428,3243 3430,3241 3493,3241 3501,3233 3501,3217 3504,3214 3648,3214 3654,3220 3654,3263 3650,3267 3495,3267 3485,3257
  region net VCC10V: 3248,3509 3248,3453 3237,3442 3065,3442 3063,3440 3063,3377 3208,3377 3218,3367 3218,3338 3223,3333 3253,3333 3255,3335 3255,3378 3270,3393 3304,3393 3314,3403 3314,3505 3307,3512 3251,3512
  region net NetC1_1: 3478,3284 3485,3277 3485,3272 3480,3267 3402,3267 3388,3281 3388,3320 3377,3331 3359,3331 3357,3333 3357,3497 3367,3507 3368,3506 3457,3506 3462,3501 3462,3389 3458,3385 3421,3385 3413,3379 3413,3363 3413,3292 3421,3284 3423,3284
  region net GND: 3621,3359 3660,3320 3660,3290 3655,3285 3507,3285 3500,3292 3433,3292 3426,3299 3426,3355 3430,3359

## Silkscreen, mask and mechanical layers (free items; w line width, h text height)
Top Overlay:
  text "BOOT" at 2895,3815 h25
  text "G" at 3590,3585 h25
  text "V" at 3625,3585 h25
  text "D" at 3665,3585 h25
  text "C" at 3695,3585 h25
  text "G" at 3785,3305 h25
  text "V" at 3785,3265 h25
  text "R1" at 3775,3225 h25
  text "T1" at 3775,3185 h25
  text "G" at 2670,3056 h25
  text "V" at 2667,2978 h25
  text "LED" at 2666,2941 h25 r270
  text "LED" at 2664,2847 h25 r270
  text "LED" at 3882,2814 h25
  text "V" at 3899,2739 h25
  text "V" at 2672.85,2727.39 h25
  text "G" at 3900,2650 h25
  text "G" at 2673.85,2638.39 h25
  text "T4" at 2865,2610 h25 r90
  text "R4" at 2910,2610 h25 r90
  text "V" at 2930,2610 h25
  text "G" at 2965,2610 h25
  text "G" at 3275,2610 h25
  text "V" at 3310,2610 h25
  text "R3" at 3225,2605 h25 r90
  text "T3" at 3265,2600 h25 r90
  text "G" at 3180,2480 h25 r90
  text "SBUS" at 3140,2420 h25 r90
Bottom Overlay:
  text "M" at 2790,3820 h25
  text "S" at 3830,3815 h25
  text "4" at 3540,3600 h25
  text "3" at 3580,3600 h25
  text "2" at 3615,3600 h25
  text "1" at 3650,3600 h25
  text "V" at 3695,3600 h25
  text "G" at 3730,3600 h25
  text "N" at 3455,3595 h25
  text "T4" at 2927,3593 h25 r90
  text "T4" at 3472,3586 h25 r270
  text "C" at 2864,3568.01 h25
  text "4" at 2960,3568.01 h25
  text "3" at 2997,3568.01 h25
  text "2" at 3037,3568.01 h25
  text "1" at 3072,3568.01 h25
  text "V" at 3097,3568.01 h25
  text "G" at 3157,3568.01 h25
  text "V10" at 2725,3520 h25
  text "G" at 2720,3480 h25
  text "VBAT" at 4033,3475 h25
  text "VT" at 2725,3440 h25
  text "V" at 3938,3432 h25
  text "T2" at 2720,3400 h25
  text "G" at 3940,3351 h25
  text "V10" at 2850,3215 h25
  text "V5" at 2835,3180 h25
  text "G" at 2815,3140 h25
  text "I" at 2810,3105 h25
  text "V" at 2855,2935 h25
  text "G" at 2850,2895 h25
  text "T8" at 2875,2855 h25
  text "R8" at 2870,2815 h25
  text "SCL" at 2875,2775 h25
  text "SDA" at 2875,2735 h25
  text "R2" at 2925,2660 h25 r270
  text "T2" at 2965,2655 h25 r270
  text "S" at 3135,2625 h25
  text "V" at 3175,2625 h25
  text "G" at 3215,2625 h25
  text "G" at 2865,2610 h25
  text "V" at 2905,2610 h25
Mechanical 1:
  circle w0.5: c2697.89,3713.68 r78.74
  circle w0.5: c3898.68,3713.68 r78.74
  circle w0.5: c3898.68,2512.89 r78.74
  circle w0.5: c2697.89,2512.89 r78.74
  lines w0.5: 2550.25,2512.89 ccw(c2697.89,2512.89) 2697.89,2365.25 3898.68,2365.25 ccw(c3898.68,2512.89) 4046.31,2512.89 4046.31,3713.68 ccw(c3898.68,3713.68) 3898.68,3861.31 2697.89,3861.31 ccw(c2697.89,3713.68) 2550.25,3713.68 2550.25,2512.89
Mechanical 3:
  circle w0.5: c147.89,147.89 r78.74
  circle w0.5: c1348.68,147.89 r78.74
  circle w0.5: c1348.68,1348.68 r78.74
  circle w0.5: c147.89,1348.68 r78.74
  lines w0.5: 0.25,147.89 ccw(c147.89,147.89) 147.89,0.25 1348.68,0.25 ccw(c1348.68,147.89) 1496.31,147.89 1496.31,1348.68 ccw(c1348.68,1348.68) 1348.68,1496.31 147.89,1496.31 ccw(c147.89,1348.68) 0.25,1348.68 0.25,147.89

## Text inside footprints (layer, text, board x,y; h text height)
C1: Mechanical 15 "1" at 3356.23,3342.14 h14.76
C2: Mechanical 15 "1" at 3728.86,3026.23 h14.76 r90
C3: Mechanical 15 "1" at 3323.58,2882.96 h22.64 r90
C4: Mechanical 15 "1" at 3235.14,2829.77 h14.76 r270
C5: Mechanical 15 "1" at 3521.58,2879.96 h22.64 r90
C6: Mechanical 15 "1" at 3415.55,2856.01 h14.76 r180
C7: Mechanical 15 "1" at 3211.71,3450.47 h29.53 r90
C8: Mechanical 15 "1" at 3124.71,3452.47 h29.53 r90
C9: Mechanical 15 "1" at 3604.53,2917.71 h29.53 r180
C10: Mechanical 15 "1" at 3605.44,2837.99 h29.53 r180
C11: Mechanical 15 "1" at 3205.04,3123.58 h22.64 r180
C12: Mechanical 15 "1" at 3205.77,3065.86 h14.76 r180
C13: Mechanical 15 "1" at 3404.04,3112.58 h22.64 r180
C14: Mechanical 15 "1" at 3415.77,3055.86 h14.76 r180
C15: Mechanical 15 "1" at 3636.71,3283.47 h29.53 r90
C16: Mechanical 15 "1" at 3549.71,3283.47 h29.53 r90
C17: Mechanical 15 "1" at 3353.77,3171.46 h14.76 r180
C18: Mechanical 15 "1" at 3952.47,3178.29 h29.53
C19: Mechanical 15 "1" at 3796.73,3212.71 h29.53 r180
C20: Mechanical 15 "1" at 3891.44,3028.49 h14.76 r270
C21: Mechanical 15 "1" at 3025.77,3283.86 h14.76 r180
C22: Mechanical 15 "1" at 3761.23,3520.14 h14.76
C23: Mechanical 15 "1" at 2955.56,2744.78 h14.76 r180
C24: Mechanical 15 "1" at 3029.23,3065.14 h14.76
C25: Mechanical 15 "1" at 2985.77,2808.14 h14.76
C26: Mechanical 15 "1" at 3127.96,2646.58 h22.64 r180
C27: Mechanical 15 "1" at 3026.77,2624.14 h14.76
C28: Mechanical 15 "1" at 2636.23,3475.86 h14.76 r180
C29: Mechanical 15 "1" at 2883.04,3478.58 h22.64 r180
C30: Mechanical 15 "1" at 2637.77,3242.14 h14.76
C31: Mechanical 15 "1" at 2882.04,3417.58 h22.64 r180
C32: Mechanical 15 "1" at 3707.23,2845.86 h14.76 r180
C33: Mechanical 15 "1" at 3068.86,3321.77 h14.76 r90
C34: Mechanical 15 "1" at 3049.14,3059.23 h14.76 r270
C35: Mechanical 15 "1" at 3220.23,3575.86 h14.76 r180
C36: Mechanical 15 "1" at 3824.86,3445.77 h14.76 r90
C37: Mechanical 15 "1" at 3235.77,2834.14 h14.76
C38: Mechanical 15 "1" at 2889.77,3341.86 h14.76 r180
C39: Mechanical 15 "1" at 2983.23,2934.27 h14.76 r180
C40: Mechanical 15 "1" at 2981.23,2985.86 h14.76 r180
C41: Mechanical 15 "1" at 2966.14,3290.77 h14.76 r270
C42: Mechanical 15 "1" at 2998.14,3365.77 h14.76 r270
C43: Mechanical 15 "1" at 2672.77,3503.14 h14.76
C44: Mechanical 15 "1" at 3495.58,3685.04 h22.64 r90
C45: Mechanical 15 "1" at 3468.14,3798.23 h14.76 r270
C46: Mechanical 15 "1" at 3541.29,2529.53 h29.53 r270
C47: Mechanical 15 "1" at 3642.29,2528.53 h29.53 r270
R1: Mechanical 15 "1" at 3545.14,2750.23 h14.76 r270
R2: Mechanical 15 "1" at 3272.14,3321.37 h14.76 r270
R3: Mechanical 15 "1" at 3743.53,2952.87 h14.76
R4: Mechanical 15 "1" at 3598.23,3178.14 h14.76
R5: Mechanical 15 "1" at 3950.86,3117.23 h14.76 r90
R6: Mechanical 15 "1" at 3443.77,3171.46 h14.76 r180
R7: Mechanical 15 "1" at 3266.23,3212.14 h14.76
R8: Mechanical 15 "1" at 3230.76,3321.99 h14.76 r270
R9: Mechanical 15 "1" at 3891.44,3113.49 h14.76 r270
R10: Mechanical 15 "1" at 3854.15,2944.96 h14.76 r90
R11: Mechanical 15 "1" at 3744.43,2907.56 h14.76
R12: Mechanical 15 "1" at 3266.23,3169.14 h14.76
R13: Mechanical 15 "1" at 3899.15,2944.96 h14.76 r90
R14: Mechanical 15 "1" at 3673.23,2743.86 h14.76 r180
R15: Mechanical 15 "1" at 3264.56,2796.78 h14.76 r180
R16: Mechanical 15 "1" at 3686.14,3546.77 h14.76 r270
R17: Mechanical 15 "1" at 3264.56,2756.78 h14.76 r180
R18: Mechanical 15 "1" at 3264.56,2716.78 h14.76 r180
R19: Mechanical 15 "1" at 2955.56,2784.78 h14.76 r180
R20: Mechanical 15 "1" at 3761.23,3562.14 h14.76
R21: Mechanical 15 "1" at 2855.77,3626.14 h14.76
R22: Mechanical 15 "1" at 2955.56,2704.78 h14.76 r180
R23: Mechanical 15 "1" at 3147.14,3209.77 h14.76 r270
R24: Mechanical 15 "1" at 2823.86,3441.23 h14.76 r90
R25: Mechanical 15 "1" at 2862.14,3270.77 h14.76 r270
R26: Mechanical 15 "1" at 3417.14,2802.23 h14.76 r270
R27: Mechanical 15 "1" at 2920.86,3277.23 h14.76 r90
R28: Mechanical 15 "1" at 2839.86,3339.23 h14.76 r90
R29: Mechanical 15 "1" at 2758.23,3018.86 h14.76 r180
R30: Mechanical 15 "1" at 3151.14,2733.77 h14.76 r270
R31: Mechanical 15 "1" at 2758.23,2969.27 h14.76 r180
R32: Mechanical 15 "1" at 3810.23,2931.86 h14.76 r180
R33: Mechanical 15 "1" at 3830.86,3072.77 h14.76 r90
R42: Mechanical 15 "1" at 3756.77,3575.14 h14.76